# EAGLE board Mk4 Final Panel 6up 3x2 (EAGLE 9.0.1), part 15 of 18 (continued)
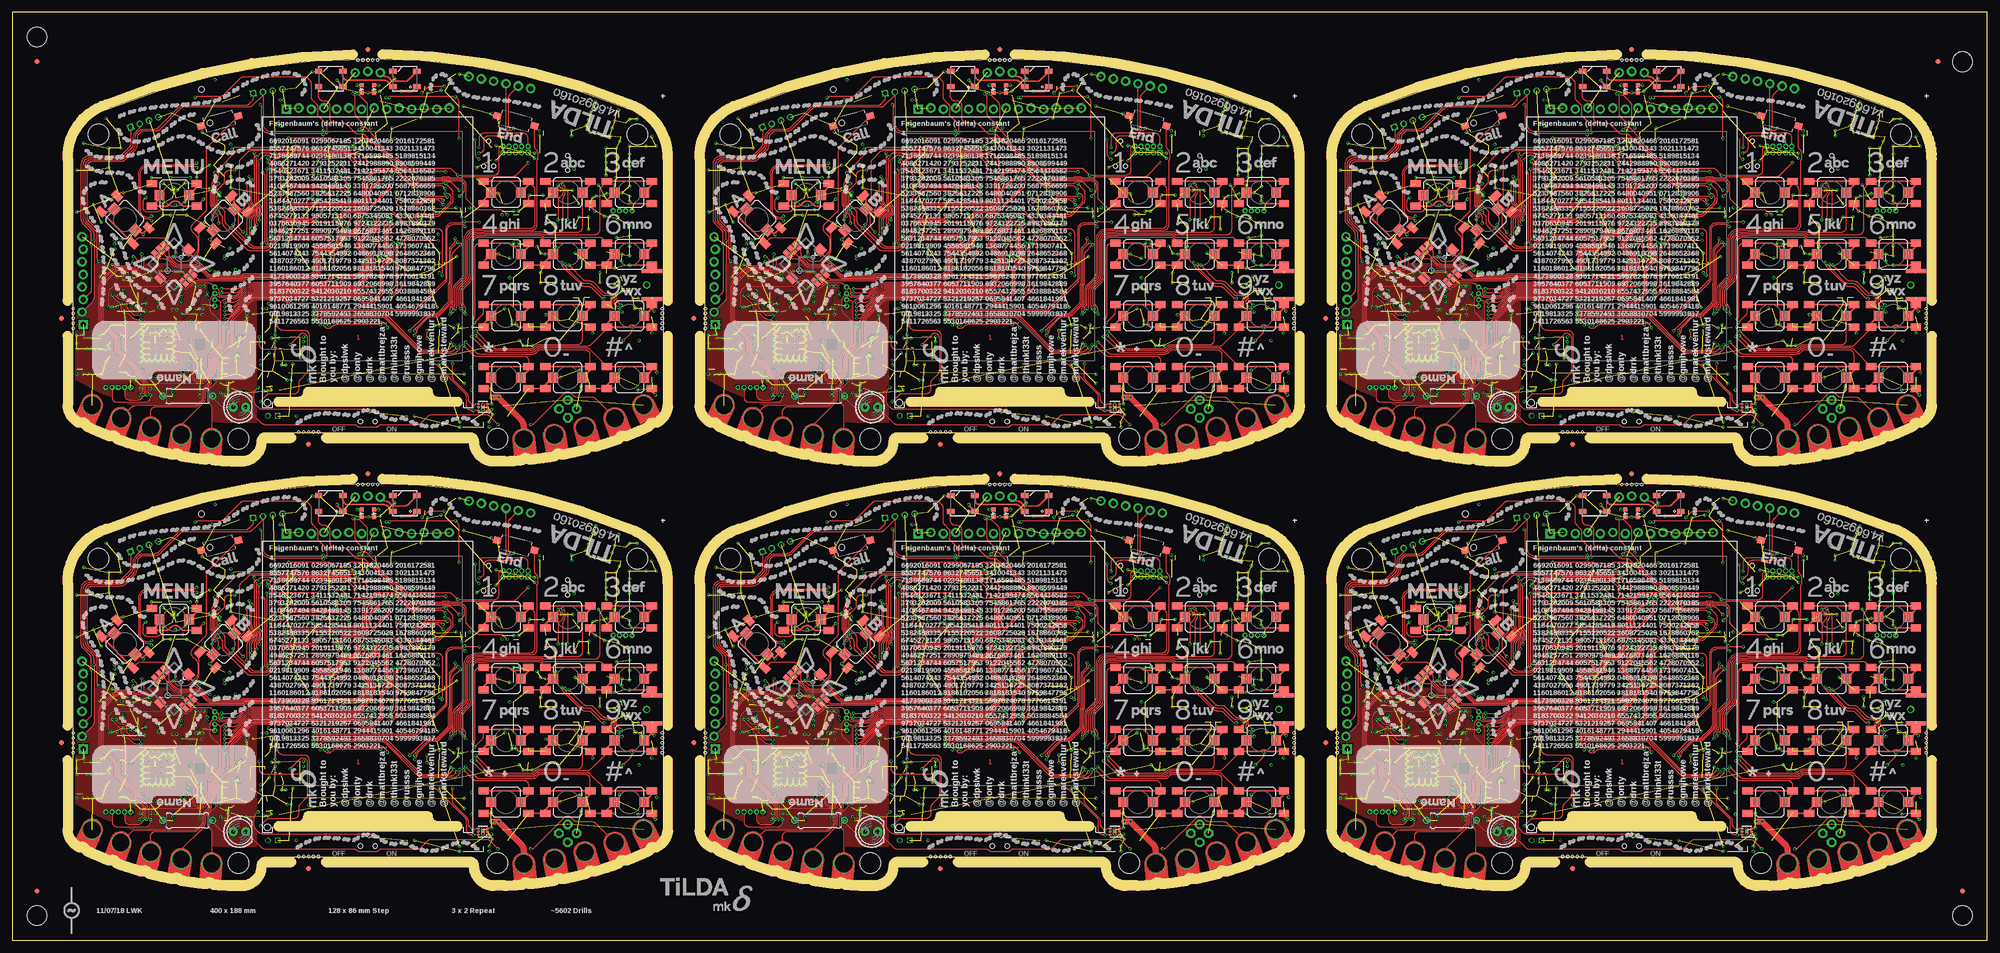
[diagram p0: board, top side]
## Tracks (layer width: path | path; a pad name or v marks a point on that pad's centre or on a via) (continued)
SWCLK  (via drill 0.3)
  Top 0.2: J3.4 103.17,76 arc90 102.17,77 96.5,77 arc90 95.5,76 95.5,74.45 arc-90 94.55,73.5 v94.5,73.45
  Bottom 0.2: IC1.100 82.59,70 arc45 83.29,70.29 84.21,71.21 arc-45 84.91,71.5 90.69,71.5 arc45 91.39,71.79 92.76,73.16 arc-45 93.46,73.45 v94.5,73.45 94.59,73.36 JP4.4
SWCLK1  (via drill 0.3)
  Top 0.2: J13.4 231.17,76 arc90 230.17,77 224.5,77 arc90 223.5,76 223.5,74.45 arc-90 222.55,73.5 v222.5,73.45
  Bottom 0.2: IC20.100 210.59,70 arc45 211.29,70.29 212.21,71.21 arc-45 212.91,71.5 218.69,71.5 arc45 219.39,71.79 220.76,73.16 arc-45 221.46,73.45 v222.5,73.45 222.59,73.36 JP10.4
SWCLK2  (via drill 0.3)
  Top 0.2: J23.4 103.17,162 arc90 102.17,163 96.5,163 arc90 95.5,162 95.5,160.45 arc-90 94.55,159.5 v94.5,159.45
  Bottom 0.2: IC38.100 82.59,156 arc45 83.29,156.29 84.21,157.21 arc-45 84.91,157.5 90.69,157.5 arc45 91.39,157.79 92.76,159.16 arc-45 93.46,159.45 v94.5,159.45 94.59,159.36 JP19.4
SWCLK3  (via drill 0.3)
  Top 0.2: J33.4 231.17,162 arc90 230.17,163 224.5,163 arc90 223.5,162 223.5,160.45 arc-90 222.55,159.5 v222.5,159.45
  Bottom 0.2: IC56.100 210.59,156 arc45 211.29,156.29 212.21,157.21 arc-45 212.91,157.5 218.69,157.5 arc45 219.39,157.79 220.76,159.16 arc-45 221.46,159.45 v222.5,159.45 222.59,159.36 JP28.4
SWCLK4  (via drill 0.3)
  Top 0.2: J43.4 359.17,76 arc90 358.17,77 352.5,77 arc90 351.5,76 351.5,74.45 arc-90 350.55,73.5 v350.5,73.45
  Bottom 0.2: IC74.100 338.59,70 arc45 339.29,70.29 340.21,71.21 arc-45 340.91,71.5 346.69,71.5 arc45 347.39,71.79 348.76,73.16 arc-45 349.46,73.45 v350.5,73.45 350.59,73.36 JP37.4
SWCLK6  (via drill 0.3)
  Top 0.2: J63.4 359.17,162 arc90 358.17,163 352.5,163 arc90 351.5,162 351.5,160.45 arc-90 350.55,159.5 v350.5,159.45
  Bottom 0.2: IC110.100 338.59,156 arc45 339.29,156.29 340.21,157.21 arc-45 340.91,157.5 346.69,157.5 arc45 347.39,157.79 348.76,159.16 arc-45 349.46,159.45 v350.5,159.45 350.59,159.36 JP55.4
SWDIO  (via drill 0.3)
  Top 0.2: J3.2 104.44,76.5 arc90 103.44,77.5 95.5,77.5 arc90 94.5,76.5 v94.5,74.7
  Bottom 0.2: IC1.99 82.49,70.4 arc45 83.19,70.69 84.06,71.56 arc-45 84.76,71.85 90.44,71.85 arc45 91.14,72.14 93.41,74.41 arc-45 94.11,74.7 v94.5,74.7 94.57,74.63 JP4.2
SWDIO1  (via drill 0.3)
  Top 0.2: J13.2 232.44,76.5 arc90 231.44,77.5 223.5,77.5 arc90 222.5,76.5 v222.5,74.7
  Bottom 0.2: IC20.99 210.49,70.4 arc45 211.19,70.69 212.06,71.56 arc-45 212.76,71.85 218.44,71.85 arc45 219.14,72.14 221.41,74.41 arc-45 222.11,74.7 v222.5,74.7 222.57,74.63 JP10.2
SWDIO2  (via drill 0.3)
  Top 0.2: J23.2 104.44,162.5 arc90 103.44,163.5 95.5,163.5 arc90 94.5,162.5 v94.5,160.7
  Bottom 0.2: IC38.99 82.49,156.4 arc45 83.19,156.69 84.06,157.56 arc-45 84.76,157.85 90.44,157.85 arc45 91.14,158.14 93.41,160.41 arc-45 94.11,160.7 v94.5,160.7 94.57,160.63 JP19.2
SWDIO3  (via drill 0.3)
  Top 0.2: J33.2 232.44,162.5 arc90 231.44,163.5 223.5,163.5 arc90 222.5,162.5 v222.5,160.7
  Bottom 0.2: IC56.99 210.49,156.4 arc45 211.19,156.69 212.06,157.56 arc-45 212.76,157.85 218.44,157.85 arc45 219.14,158.14 221.41,160.41 arc-45 222.11,160.7 v222.5,160.7 222.57,160.63 JP28.2
SWDIO4  (via drill 0.3)
  Top 0.2: J43.2 360.44,76.5 arc90 359.44,77.5 351.5,77.5 arc90 350.5,76.5 v350.5,74.7
  Bottom 0.2: IC74.99 338.49,70.4 arc45 339.19,70.69 340.06,71.56 arc-45 340.76,71.85 346.44,71.85 arc45 347.14,72.14 349.41,74.41 arc-45 350.11,74.7 v350.5,74.7 350.57,74.63 JP37.2
SWDIO6  (via drill 0.3)
  Top 0.2: J63.2 360.44,162.5 arc90 359.44,163.5 351.5,163.5 arc90 350.5,162.5 v350.5,160.7
  Bottom 0.2: IC110.99 338.49,156.4 arc45 339.19,156.69 340.06,157.56 arc-45 340.76,157.85 346.44,157.85 arc45 347.14,158.14 349.41,160.41 arc-45 350.11,160.7 v350.5,160.7 350.57,160.63 JP55.2
SWO  (via drill 0.3)
  Top 0.2: v93.75,76.25 93.75,73.41 arc45 94.04,72.71 v94.5,72.25
  Bottom 0.2: J3.6 101.9,76.3 arc90 100.9,77.3 95.16,77.3 arc45 94.46,77.01 93.75,76.3 v93.75,76.25 93.75,75.75 90.89,72.89 arc-45 90.19,72.6 84.51,72.6 arc45 83.81,72.31 82.99,71.49 arc-45 82.29,71.2 81.78,71.2 arc-45 81.43,71.35 81.37,71.4 arc45 81.02,71.55 81,71.55 80.98,71.55 arc45 80.63,71.4 80.57,71.35 arc-45 80.22,71.2 IC1.97 | JP4.6 94.66,72.09 v94.5,72.25
SWO1  (via drill 0.3)
  Top 0.2: v221.75,76.25 221.75,73.41 arc45 222.04,72.71 v222.5,72.25
  Bottom 0.2: J13.6 229.9,76.3 arc90 228.9,77.3 223.16,77.3 arc45 222.46,77.01 221.75,76.3 v221.75,76.25 221.75,75.75 218.89,72.89 arc-45 218.19,72.6 212.51,72.6 arc45 211.81,72.31 210.99,71.49 arc-45 210.29,71.2 209.78,71.2 arc-45 209.43,71.35 209.37,71.4 arc45 209.02,71.55 208.98,71.55 arc45 208.63,71.4 208.57,71.35 arc-45 208.22,71.2 IC20.97 | JP10.6 222.66,72.09 v222.5,72.25
SWO2  (via drill 0.3)
  Top 0.2: v93.75,162.25 93.75,159.41 arc45 94.04,158.71 v94.5,158.25
  Bottom 0.2: J23.6 101.9,162.3 arc90 100.9,163.3 95.16,163.3 arc45 94.46,163.01 93.75,162.3 v93.75,162.25 93.75,161.75 90.89,158.89 arc-45 90.19,158.6 84.51,158.6 arc45 83.81,158.31 82.99,157.49 arc-45 82.29,157.2 81.78,157.2 arc-45 81.43,157.35 81.37,157.4 arc45 81.02,157.55 80.98,157.55 arc45 80.63,157.4 80.57,157.35 arc-45 80.22,157.2 IC38.97 | JP19.6 94.66,158.09 v94.5,158.25
SWO3  (via drill 0.3)
  Top 0.2: v221.75,162.25 221.75,159.41 arc45 222.04,158.71 v222.5,158.25
  Bottom 0.2: J33.6 229.9,162.3 arc90 228.9,163.3 223.16,163.3 arc45 222.46,163.01 221.75,162.3 v221.75,162.25 221.75,161.75 218.89,158.89 arc-45 218.19,158.6 212.51,158.6 arc45 211.81,158.31 210.99,157.49 arc-45 210.29,157.2 209.78,157.2 arc-45 209.43,157.35 209.37,157.4 arc45 209.02,157.55 208.98,157.55 arc45 208.63,157.4 208.57,157.35 arc-45 208.22,157.2 IC56.97 | JP28.6 222.66,158.09 v222.5,158.25
SWO4  (via drill 0.3)
  Top 0.2: v349.75,76.25 349.75,73.41 arc45 350.04,72.71 v350.5,72.25
  Bottom 0.2: J43.6 357.9,76.3 arc90 356.9,77.3 351.16,77.3 arc45 350.46,77.01 349.75,76.3 v349.75,76.25 349.75,75.75 346.89,72.89 arc-45 346.19,72.6 340.51,72.6 arc45 339.81,72.31 338.99,71.49 arc-45 338.29,71.2 337.79,71.2 arc-45 337.43,71.35 337.37,71.4 arc45 337.02,71.55 336.98,71.55 arc45 336.63,71.4 336.57,71.35 arc-45 336.21,71.2 IC74.97 | JP37.6 350.66,72.09 v350.5,72.25
SWO6  (via drill 0.3)
  Top 0.2: v349.75,162.25 349.75,159.41 arc45 350.04,158.71 v350.5,158.25
  Bottom 0.2: J63.6 357.9,162.3 arc90 356.9,163.3 351.16,163.3 arc45 350.46,163.01 349.75,162.3 v349.75,162.25 349.75,161.75 346.89,158.89 arc-45 346.19,158.6 340.51,158.6 arc45 339.81,158.31 338.99,157.49 arc-45 338.29,157.2 337.79,157.2 arc-45 337.43,157.35 337.37,157.4 arc45 337.02,157.55 336.98,157.55 arc45 336.63,157.4 336.57,157.35 arc-45 336.21,157.2 IC110.97 | JP55.6 350.66,158.09 v350.5,158.25
T3CCPO_WS1  (via drill 0.3)
  Top 0.2: v215.8,67.3 216.91,66.19 arc-45 217.2,65.49 217.2,63.91 arc-45 216.91,63.21 214.59,60.89 arc-45 213.89,60.6 v210.3,60.6 | v215.8,69.7 209.71,69.7 arc-45 209.57,69.76 209.39,69.94 arc45 209.25,70 208.32,70 arc-45 207.61,70.29 206,71.9 arc45 205.65,72.05 205.52,72.05 arc-45 204.82,72.34 201.46,75.7 arc45 201.21,75.8 arc-45 200.51,76.09 199.59,77.01 arc45 198.89,77.3 198.11,77.3 arc-45 197.41,77.59 195.79,79.21 arc45 195.09,79.5 193.36,79.5 arc-90 192.36,80.5 192.36,83 arc90 191.36,84 191.05,84 arc-90 190.05,85 LED7.4
  Bottom 0.2: v215.8,69.7 v215.8,67.3 | v210.3,60.6 210.17,60.47 arc-45 209.82,60.33 209.57,60.33 arc45 209.22,60.18 209.19,60.15 arc-45 208.83,60 IC20.125
T3CCPO_WS2  (via drill 0.3)
  Top 0.2: v87.8,153.3 88.91,152.19 arc-45 89.2,151.49 89.2,149.91 arc-45 88.91,149.21 86.59,146.89 arc-45 85.89,146.6 v82.3,146.6 | v87.8,155.7 81.71,155.7 arc-45 81.57,155.76 81.39,155.94 arc45 81.25,156 80.32,156 arc-45 79.61,156.29 78,157.9 arc45 77.64,158.05 77.52,158.05 arc-45 76.82,158.34 73.46,161.7 arc45 73.21,161.8 arc-45 72.51,162.09 71.59,163.01 arc45 70.89,163.3 70.11,163.3 arc-45 69.41,163.59 67.79,165.21 arc45 67.09,165.5 65.36,165.5 arc-90 64.36,166.5 64.36,169 arc90 63.36,170 63.05,170 arc-90 62.05,171 LED13.4
  Bottom 0.2: v87.8,155.7 v87.8,153.3 | v82.3,146.6 82.17,146.47 arc-45 81.82,146.32 81.57,146.32 arc45 81.22,146.18 81.19,146.15 arc-45 80.83,146 IC38.125
T3CCPO_WS3  (via drill 0.3)
  Top 0.2: v215.8,153.3 216.91,152.19 arc-45 217.2,151.49 217.2,149.91 arc-45 216.91,149.21 214.59,146.89 arc-45 213.89,146.6 v210.3,146.6 | v215.8,155.7 209.71,155.7 arc-45 209.57,155.76 209.39,155.94 arc45 209.25,156 208.32,156 arc-45 207.61,156.29 206,157.9 arc45 205.65,158.05 205.52,158.05 arc-45 204.82,158.34 201.46,161.7 arc45 201.21,161.8 arc-45 200.51,162.09 199.59,163.01 arc45 198.89,163.3 198.11,163.3 arc-45 197.41,163.59 195.79,165.21 arc45 195.09,165.5 193.36,165.5 arc-90 192.36,166.5 192.36,169 arc90 191.36,170 191.05,170 arc-90 190.05,171 LED19.4
  Bottom 0.2: v215.8,155.7 v215.8,153.3 | v210.3,146.6 210.17,146.47 arc-45 209.82,146.32 209.57,146.32 arc45 209.22,146.18 209.19,146.15 arc-45 208.83,146 IC56.125
T3CCPO_WS4  (via drill 0.3)
  Top 0.2: v343.8,67.3 344.91,66.19 arc-45 345.2,65.49 345.2,63.91 arc-45 344.91,63.21 342.59,60.89 arc-45 341.89,60.6 v338.3,60.6 | v343.8,69.7 337.71,69.7 arc-45 337.57,69.76 337.39,69.94 arc45 337.25,70 336.32,70 arc-45 335.61,70.29 334,71.9 arc45 333.64,72.05 333.52,72.05 arc-45 332.82,72.34 329.46,75.7 arc45 329.21,75.8 arc-45 328.51,76.09 327.59,77.01 arc45 326.89,77.3 326.11,77.3 arc-45 325.41,77.59 323.79,79.21 arc45 323.09,79.5 321.36,79.5 arc-90 320.36,80.5 320.36,83 arc90 319.36,84 319.05,84 arc-90 318.05,85 LED25.4
  Bottom 0.2: v343.8,69.7 v343.8,67.3 | v338.3,60.6 338.17,60.47 arc-45 337.82,60.33 337.57,60.33 arc45 337.22,60.18 337.19,60.15 arc-45 336.83,60 IC74.125
T3CCPO_WS6  (via drill 0.3)
  Top 0.2: v343.8,153.3 344.91,152.19 arc-45 345.2,151.49 345.2,149.91 arc-45 344.91,149.21 342.59,146.89 arc-45 341.89,146.6 v338.3,146.6 | v343.8,155.7 337.71,155.7 arc-45 337.57,155.76 337.39,155.94 arc45 337.25,156 336.32,156 arc-45 335.61,156.29 334,157.9 arc45 333.64,158.05 333.52,158.05 arc-45 332.82,158.34 329.46,161.7 arc45 329.21,161.8 arc-45 328.51,162.09 327.59,163.01 arc45 326.89,163.3 326.11,163.3 arc-45 325.41,163.59 323.79,165.21 arc45 323.09,165.5 321.36,165.5 arc-90 320.36,166.5 320.36,169 arc90 319.36,170 319.05,170 arc-90 318.05,171 LED37.4
  Bottom 0.2: v343.8,155.7 v343.8,153.3 | v338.3,146.6 338.17,146.47 arc-45 337.82,146.32 337.57,146.32 arc45 337.22,146.18 337.19,146.15 arc-45 336.83,146 IC110.125
T3CCPO_WS2812  (via drill 0.3)
  Top 0.2: v87.8,67.3 88.91,66.19 arc-45 89.2,65.49 89.2,63.91 arc-45 88.91,63.21 86.59,60.89 arc-45 85.89,60.6 v82.3,60.6 | v87.8,69.7 81.71,69.7 arc-45 81.57,69.76 81.39,69.94 arc45 81.25,70 80.32,70 arc-45 79.61,70.29 78,71.9 arc45 77.64,72.05 77.52,72.05 arc-45 76.82,72.34 73.46,75.7 arc45 73.21,75.8 arc-45 72.51,76.09 71.59,77.01 arc45 70.89,77.3 70.11,77.3 arc-45 69.41,77.59 67.79,79.21 arc45 67.09,79.5 65.36,79.5 arc-90 64.36,80.5 64.36,83 arc90 63.36,84 63.05,84 arc-90 62.05,85 LED1.4
  Bottom 0.2: v87.8,69.7 v87.8,67.3 | v82.3,60.6 82.17,60.47 arc-45 81.82,60.33 81.57,60.33 arc45 81.22,60.18 81.19,60.15 arc-45 80.83,60 IC1.125
T4CCP0  (via drill 0.3)
  Top 0.15: v77,59.2 76.72,58.92 arc45 76.58,58.57 arc-45 76.46,58.3 76.19,58.03 arc45 75.9,57.32 75.9,54.61 arc45 76.19,53.91 76.42,53.68 arc-45 76.6,53.24 76.62,53.22 76.62,52.55 arc-45 76.19,51.49 75.17,50.47 arc45 74.8,49.58 74.8,45.72 arc-45 74.43,44.83 72.87,43.27 arc-45 71.98,42.9 71.41,42.9 arc-45 70.71,43.19 70.29,43.61 arc45 69.59,43.9 56.26,43.9 arc45 55.9,43.75 v55.8,43.65 55.74,43.71 arc45 55.04,44 49.07,44 arc45 48.19,43.63 44.67,40.11 arc45 44.3,39.23 44.3,35.41 arc-45 44.01,34.71 41.67,32.37 arc45 41.3,31.48 41.3,30.01 arc-45 40.69,28.54 arc45 40.4,27.84 40.4,27.3 arc-45 39.96,26.24 39.52,25.79 arc45 39.15,24.91 39.15,23.97 arc-45 38.71,22.91 34.2,18.4 PCB.CH2
  3V3@2 0.15: PCB.CH2 | v22.4,56.2 22.4,55.9 22,55.5 22,53.5 21,52.5 19.5,52.5 18.6,51.6 18.6,50.6 14.37,46.37 JP6.4
  Bottom 0.15: v55.8,43.65 arc-45 55.29,43.86 52.34,46.81 arc45 50.92,47.4 45.23,47.4 arc-45 44.52,47.69 40.93,51.29 arc-45 40.8,51.6 40.8,51.75 arc90 39.05,53.5 36.06,53.5 arc-45 35.36,53.79 33.76,55.39 arc45 32.52,55.9 23.11,55.9 arc-45 v22.41,56.19 v22.4,56.2
  Bottom 0.2: v77,59.2 77.44,59.63 arc-90 78.14,59.63 78.43,59.35 arc45 78.78,59.2 IC1.127
T4CCP1  (via drill 0.3)
  Top 0.15: PCB.CH1 40.38,21.9 arc45 40.09,22.61 39.74,22.96 arc-45 39.45,23.66 39.45,24.89 arc-45 39.74,25.59 41.27,27.12 arc45 41.6,27.91 41.6,31.46 arc-45 41.89,32.17 44.23,34.51 arc45 44.6,35.39 44.6,39.21 arc-45 44.89,39.92 48.38,43.41 arc-45 49.09,43.7 54.59,43.7 arc-45 55.29,43.41 55.45,43.25 arc45 55.81,43.1 v56.4,43.1 62,43.1 62.05,43.05 69.94,43.05 arc-45 70.64,42.76 arc45 71.02,42.6 72.08,42.6 arc45 73.14,43.04 74.66,44.56 arc45 75.1,45.62 75.1,49.49 arc-45 75.39,50.19 76.41,51.21 arc45 76.92,52.45 76.92,53.34 76.9,53.37 arc45 76.66,53.94 76.49,54.11 arc-45 76.2,54.81 76.2,57.19 arc-45 76.49,57.89 v77.8,59.2
  3V3@2 0.15: v21.6,55.9 21.6,53.6 21,53 19,53 18.25,52.25 18.25,51 16.16,48.91 JP6.5
  Bottom 0.15: v56.4,43.1 55.81,43.1 arc-45 55.45,43.25 52.11,46.59 arc45 50.88,47.1 45.11,47.1 arc-45 44.4,47.39 40.65,51.15 arc-45 40.5,51.5 40.5,51.7 arc90 39,53.2 36.02,53.2 arc-45 35.13,53.57 33.54,55.16 arc45 32.48,55.6 22.31,55.6 arc-45 v21.61,55.89 v21.6,55.9
  Bottom 0.2: IC1.128 78.41,58.8 arc-45 78.05,58.95 v77.8,59.2
T4CCP2  (via drill 0.3)
  Top 0.15: v205,59.2 204.72,58.92 arc45 204.57,58.57 arc-45 204.46,58.3 204.19,58.03 arc45 203.9,57.32 203.9,54.61 arc45 204.19,53.91 204.42,53.68 arc-45 204.6,53.24 204.62,53.22 204.62,52.55 arc-45 204.19,51.49 203.17,50.47 arc45 202.8,49.58 202.8,45.72 arc-45 202.43,44.83 200.87,43.27 arc-45 199.98,42.9 199.41,42.9 arc-45 198.71,43.19 198.29,43.61 arc45 197.59,43.9 184.26,43.9 arc45 183.9,43.75 v183.8,43.65 183.74,43.71 arc45 183.04,44 177.07,44 arc45 176.19,43.63 172.67,40.11 arc45 172.3,39.23 172.3,35.41 arc-45 172.01,34.71 169.67,32.37 arc45 169.3,31.48 169.3,30.01 arc-45 168.69,28.54 arc45 168.4,27.84 168.4,27.3 arc-45 167.96,26.24 167.52,25.79 arc45 167.15,24.91 167.15,23.97 arc-45 166.71,22.91 162.2,18.4 PCB1.CH2
  3V3@2 0.15: PCB1.CH2 | v150.4,56.2 150.4,55.9 150,55.5 150,53.5 149,52.5 147.5,52.5 146.6,51.6 146.6,50.6 142.37,46.37 JP17.4
  Bottom 0.15: v183.8,43.65 arc-45 183.29,43.86 180.34,46.81 arc45 178.92,47.4 173.23,47.4 arc-45 172.52,47.69 168.93,51.29 arc-45 168.8,51.6 168.8,51.75 arc90 167.05,53.5 164.06,53.5 arc-45 163.36,53.79 161.76,55.39 arc45 160.53,55.9 151.11,55.9 arc-45 v150.41,56.19 v150.4,56.2
  Bottom 0.2: v205,59.2 205.44,59.63 arc-90 206.14,59.63 206.43,59.35 arc45 206.78,59.2 IC20.127
T4CCP3  (via drill 0.3)
  Top 0.15: PCB1.CH1 168.38,21.9 arc45 168.09,22.61 167.74,22.96 arc-45 167.45,23.66 167.45,24.89 arc-45 167.74,25.59 169.28,27.12 arc45 169.6,27.91 169.6,31.46 arc-45 169.89,32.17 172.23,34.51 arc45 172.6,35.39 172.6,39.21 arc-45 172.89,39.92 176.38,43.41 arc-45 177.09,43.7 182.59,43.7 arc-45 183.29,43.41 183.45,43.25 arc45 183.81,43.1 v184.4,43.1 190,43.1 190.05,43.05 197.94,43.05 arc-45 198.64,42.76 arc45 199.02,42.6 200.08,42.6 arc45 201.14,43.04 202.66,44.56 arc45 203.1,45.62 203.1,49.49 arc-45 203.39,50.19 204.41,51.21 arc45 204.93,52.45 204.93,53.34 204.9,53.37 arc45 204.66,53.94 204.49,54.11 arc-45 204.2,54.81 204.2,57.19 arc-45 204.49,57.89 v205.8,59.2
  3V3@2 0.15: v149.6,55.9 149.6,53.6 149,53 147,53 146.25,52.25 146.25,51 144.16,48.91 JP17.5
  Bottom 0.15: v184.4,43.1 183.81,43.1 arc-45 183.45,43.25 180.11,46.59 arc45 178.88,47.1 173.11,47.1 arc-45 172.4,47.39 168.65,51.15 arc-45 168.5,51.5 168.5,51.7 arc90 167,53.2 164.02,53.2 arc-45 163.13,53.57 161.54,55.16 arc45 160.48,55.6 150.31,55.6 arc-45 v149.61,55.89 v149.6,55.9
  Bottom 0.2: IC20.128 206.41,58.8 arc-45 206.05,58.95 v205.8,59.2
T4CCP4  (via drill 0.3)
  Top 0.15: v77,145.2 76.72,144.92 arc45 76.58,144.57 arc-45 76.46,144.29 76.19,144.03 arc45 75.9,143.32 75.9,140.61 arc45 76.19,139.91 76.42,139.68 arc-45 76.6,139.24 76.62,139.22 76.62,138.55 arc-45 76.19,137.49 75.17,136.47 arc45 74.8,135.58 74.8,131.72 arc-45 74.43,130.83 72.87,129.27 arc-45 71.98,128.9 71.41,128.9 arc-45 70.71,129.19 70.29,129.61 arc45 69.59,129.9 56.26,129.9 arc45 55.9,129.75 v55.8,129.65 55.74,129.71 arc45 55.04,130 49.07,130 arc45 48.19,129.63 44.67,126.11 arc45 44.3,125.23 44.3,121.41 arc-45 44.01,120.71 41.67,118.37 arc45 41.3,117.48 41.3,116.01 arc-45 40.69,114.54 arc45 40.4,113.84 40.4,113.3 arc-45 39.96,112.24 39.52,111.79 arc45 39.15,110.91 39.15,109.97 arc-45 38.71,108.91 34.2,104.4 PCB2.CH2
  3V3@2 0.15: PCB2.CH2 | v22.4,142.2 22.4,141.9 22,141.5 22,139.5 21,138.5 19.5,138.5 18.6,137.6 18.6,136.6 14.37,132.37 JP26.4
  Bottom 0.15: v55.8,129.65 arc-45 55.29,129.86 52.34,132.81 arc45 50.92,133.4 45.23,133.4 arc-45 44.52,133.69 40.93,137.29 arc-45 40.8,137.6 40.8,137.75 arc90 39.05,139.5 36.06,139.5 arc-45 35.36,139.79 33.76,141.39 arc45 32.52,141.9 23.11,141.9 arc-45 v22.41,142.19 v22.4,142.2
  Bottom 0.2: v77,145.2 77.44,145.63 arc-90 78.14,145.63 78.43,145.35 arc45 78.78,145.2 IC38.127
T4CCP5  (via drill 0.3)
  Top 0.15: PCB2.CH1 40.38,107.9 arc45 40.09,108.61 39.74,108.96 arc-45 39.45,109.66 39.45,110.89 arc-45 39.74,111.59 41.27,113.12 arc45 41.6,113.91 41.6,117.46 arc-45 41.89,118.17 44.23,120.51 arc45 44.6,121.39 44.6,125.21 arc-45 44.89,125.92 48.38,129.41 arc-45 49.09,129.7 54.59,129.7 arc-45 55.29,129.41 55.45,129.25 arc45 55.81,129.1 v56.4,129.1 62,129.1 62.05,129.05 69.94,129.05 arc-45 70.64,128.76 arc45 71.02,128.6 72.08,128.6 arc45 73.14,129.04 74.66,130.56 arc45 75.1,131.62 75.1,135.49 arc-45 75.39,136.19 76.41,137.21 arc45 76.92,138.45 76.92,139.34 76.9,139.37 arc45 76.66,139.94 76.49,140.11 arc-45 76.2,140.81 76.2,143.19 arc-45 76.49,143.89 v77.8,145.2
  3V3@2 0.15: v21.6,141.9 21.6,139.6 21,139 19,139 18.25,138.25 18.25,137 16.16,134.91 JP26.5
  Bottom 0.15: v56.4,129.1 55.81,129.1 arc-45 55.45,129.25 52.11,132.59 arc45 50.88,133.1 45.11,133.1 arc-45 44.4,133.39 40.65,137.15 arc-45 40.5,137.5 40.5,137.7 arc90 39,139.2 36.02,139.2 arc-45 35.13,139.57 33.54,141.16 arc45 32.48,141.6 22.31,141.6 arc-45 v21.61,141.89 v21.6,141.9
  Bottom 0.2: IC38.128 78.41,144.8 arc-45 78.05,144.95 v77.8,145.2
T4CCP6  (via drill 0.3)
  Top 0.15: v205,145.2 204.72,144.92 arc45 204.57,144.57 arc-45 204.46,144.29 204.19,144.03 arc45 203.9,143.32 203.9,140.61 arc45 204.19,139.91 204.42,139.68 arc-45 204.6,139.24 204.62,139.22 204.62,138.55 arc-45 204.19,137.49 203.17,136.47 arc45 202.8,135.58 202.8,131.72 arc-45 202.43,130.83 200.87,129.27 arc-45 199.98,128.9 199.41,128.9 arc-45 198.71,129.19 198.29,129.61 arc45 197.59,129.9 184.26,129.9 arc45 183.9,129.75 v183.8,129.65 183.74,129.71 arc45 183.04,130 177.07,130 arc45 176.19,129.63 172.67,126.11 arc45 172.3,125.23 172.3,121.41 arc-45 172.01,120.71 169.67,118.37 arc45 169.3,117.48 169.3,116.01 arc-45 168.69,114.54 arc45 168.4,113.84 168.4,113.3 arc-45 167.96,112.24 167.52,111.79 arc45 167.15,110.91 167.15,109.97 arc-45 166.71,108.91 162.2,104.4 PCB3.CH2
  3V3@2 0.15: PCB3.CH2 | v150.4,142.2 150.4,141.9 150,141.5 150,139.5 149,138.5 147.5,138.5 146.6,137.6 146.6,136.6 142.37,132.37 JP35.4
  Bottom 0.15: v183.8,129.65 arc-45 183.29,129.86 180.34,132.81 arc45 178.92,133.4 173.23,133.4 arc-45 172.52,133.69 168.93,137.29 arc-45 168.8,137.6 168.8,137.75 arc90 167.05,139.5 164.06,139.5 arc-45 163.36,139.79 161.76,141.39 arc45 160.53,141.9 151.11,141.9 arc-45 v150.41,142.19 v150.4,142.2
  Bottom 0.2: v205,145.2 205.44,145.63 arc-90 206.14,145.63 206.43,145.35 arc45 206.78,145.2 IC56.127
T4CCP7  (via drill 0.3)
  Top 0.15: PCB3.CH1 168.38,107.9 arc45 168.09,108.61 167.74,108.96 arc-45 167.45,109.66 167.45,110.89 arc-45 167.74,111.59 169.28,113.12 arc45 169.6,113.91 169.6,117.46 arc-45 169.89,118.17 172.23,120.51 arc45 172.6,121.39 172.6,125.21 arc-45 172.89,125.92 176.38,129.41 arc-45 177.09,129.7 182.59,129.7 arc-45 183.29,129.41 183.45,129.25 arc45 183.81,129.1 v184.4,129.1 190,129.1 190.05,129.05 197.94,129.05 arc-45 198.64,128.76 arc45 199.02,128.6 200.08,128.6 arc45 201.14,129.04 202.66,130.56 arc45 203.1,131.62 203.1,135.49 arc-45 203.39,136.19 204.41,137.21 arc45 204.93,138.45 204.93,139.34 204.9,139.37 arc45 204.66,139.94 204.49,140.11 arc-45 204.2,140.81 204.2,143.19 arc-45 204.49,143.89 v205.8,145.2
  3V3@2 0.15: v149.6,141.9 149.6,139.6 149,139 147,139 146.25,138.25 146.25,137 144.16,134.91 JP35.5
  Bottom 0.15: v184.4,129.1 183.81,129.1 arc-45 183.45,129.25 180.11,132.59 arc45 178.88,133.1 173.11,133.1 arc-45 172.4,133.39 168.65,137.15 arc-45 168.5,137.5 168.5,137.7 arc90 167,139.2 164.02,139.2 arc-45 163.13,139.57 161.54,141.16 arc45 160.48,141.6 150.31,141.6 arc-45 v149.61,141.89 v149.6,141.9
  Bottom 0.2: IC56.128 206.41,144.8 arc-45 206.05,144.95 v205.8,145.2
T4CCP8  (via drill 0.3)
  Top 0.15: v333,59.2 332.72,58.92 arc45 332.57,58.57 arc-45 332.46,58.3 332.19,58.03 arc45 331.9,57.32 331.9,54.61 arc45 332.19,53.91 332.42,53.68 arc-45 332.6,53.24 332.62,53.22 332.62,52.55 arc-45 332.19,51.49 331.17,50.47 arc45 330.8,49.58 330.8,45.72 arc-45 330.43,44.83 328.87,43.27 arc-45 327.98,42.9 327.41,42.9 arc-45 326.71,43.19 326.29,43.61 arc45 325.59,43.9 312.26,43.9 arc45 311.9,43.75 v311.8,43.65 311.74,43.71 arc45 311.04,44 305.07,44 arc45 304.19,43.63 300.67,40.11 arc45 300.3,39.23 300.3,35.41 arc-45 300.01,34.71 297.67,32.37 arc45 297.3,31.48 297.3,30.01 arc-45 296.69,28.54 arc45 296.4,27.84 296.4,27.3 arc-45 295.96,26.24 295.52,25.79 arc45 295.15,24.91 295.15,23.97 arc-45 294.71,22.91 290.2,18.4 PCB4.CH2
  3V3@2 0.15: PCB4.CH2 | v278.4,56.2 278.4,55.9 278,55.5 278,53.5 277,52.5 275.5,52.5 274.6,51.6 274.6,50.6 270.37,46.37 JP44.4
  Bottom 0.15: v311.8,43.65 arc-45 311.29,43.86 308.34,46.81 arc45 306.92,47.4 301.23,47.4 arc-45 300.52,47.69 296.93,51.29 arc-45 296.8,51.6 296.8,51.75 arc90 295.05,53.5 292.06,53.5 arc-45 291.36,53.79 289.76,55.39 arc45 288.52,55.9 279.11,55.9 arc-45 v278.41,56.19 v278.4,56.2
  Bottom 0.2: v333,59.2 333.44,59.63 arc-90 334.14,59.63 334.43,59.35 arc45 334.79,59.2 IC74.127
T4CCP9  (via drill 0.3)
  Top 0.15: PCB4.CH1 296.38,21.9 arc45 296.09,22.61 295.74,22.96 arc-45 295.45,23.66 295.45,24.89 arc-45 295.74,25.59 297.27,27.12 arc45 297.6,27.91 297.6,31.46 arc-45 297.89,32.17 300.23,34.51 arc45 300.6,35.39 300.6,39.21 arc-45 300.89,39.92 304.38,43.41 arc-45 305.09,43.7 310.59,43.7 arc-45 311.29,43.41 311.45,43.25 arc45 311.81,43.1 v312.4,43.1 318,43.1 318.05,43.05 325.94,43.05 arc-45 326.64,42.76 arc45 327.02,42.6 328.08,42.6 arc45 329.14,43.04 330.66,44.56 arc45 331.1,45.62 331.1,49.49 arc-45 331.39,50.19 332.41,51.21 arc45 332.93,52.45 332.93,53.34 332.9,53.37 arc45 332.66,53.94 332.49,54.11 arc-45 332.2,54.81 332.2,57.19 arc-45 332.49,57.89 v333.8,59.2
  3V3@2 0.15: v277.6,55.9 277.6,53.6 277,53 275,53 274.25,52.25 274.25,51 272.16,48.91 JP44.5
  Bottom 0.15: v312.4,43.1 311.81,43.1 arc-45 311.45,43.25 308.11,46.59 arc45 306.88,47.1 301.11,47.1 arc-45 300.4,47.39 296.65,51.15 arc-45 296.5,51.5 296.5,51.7 arc90 295,53.2 292.02,53.2 arc-45 291.13,53.57 289.54,55.16 arc45 288.48,55.6 278.31,55.6 arc-45 v277.61,55.89 v277.6,55.9
  Bottom 0.2: IC74.128 334.41,58.8 arc-45 334.05,58.95 v333.8,59.2
T4CCP12  (via drill 0.3)
  Top 0.15: v333,145.2 332.72,144.92 arc45 332.57,144.57 arc-45 332.46,144.29 332.19,144.03 arc45 331.9,143.32 331.9,140.61 arc45 332.19,139.91 332.42,139.68 arc-45 332.6,139.24 332.62,139.22 332.62,138.55 arc-45 332.19,137.49 331.17,136.47 arc45 330.8,135.58 330.8,131.72 arc-45 330.43,130.83 328.87,129.27 arc-45 327.98,128.9 327.41,128.9 arc-45 326.71,129.19 326.29,129.61 arc45 325.59,129.9 312.26,129.9 arc45 311.9,129.75 v311.8,129.65 311.74,129.71 arc45 311.04,130 305.07,130 arc45 304.19,129.63 300.67,126.11 arc45 300.3,125.23 300.3,121.41 arc-45 300.01,120.71 297.67,118.37 arc45 297.3,117.48 297.3,116.01 arc-45 296.69,114.54 arc45 296.4,113.84 296.4,113.3 arc-45 295.96,112.24 295.52,111.79 arc45 295.15,110.91 295.15,109.97 arc-45 294.71,108.91 290.2,104.4 PCB6.CH2
  3V3@2 0.15: PCB6.CH2 | v278.4,142.2 278.4,141.9 278,141.5 278,139.5 277,138.5 275.5,138.5 274.6,137.6 274.6,136.6 270.37,132.37 JP62.4
  Bottom 0.15: v311.8,129.65 arc-45 311.29,129.86 308.34,132.81 arc45 306.92,133.4 301.23,133.4 arc-45 300.52,133.69 296.93,137.29 arc-45 296.8,137.6 296.8,137.75 arc90 295.05,139.5 292.06,139.5 arc-45 291.36,139.79 289.76,141.39 arc45 288.52,141.9 279.11,141.9 arc-45 v278.41,142.19 v278.4,142.2
  Bottom 0.2: v333,145.2 333.44,145.63 arc-90 334.14,145.63 334.43,145.35 arc45 334.79,145.2 IC110.127
T4CCP13  (via drill 0.3)
  Top 0.15: PCB6.CH1 296.38,107.9 arc45 296.09,108.61 295.74,108.96 arc-45 295.45,109.66 295.45,110.89 arc-45 295.74,111.59 297.27,113.12 arc45 297.6,113.91 297.6,117.46 arc-45 297.89,118.17 300.23,120.51 arc45 300.6,121.39 300.6,125.21 arc-45 300.89,125.92 304.38,129.41 arc-45 305.09,129.7 310.59,129.7 arc-45 311.29,129.41 311.45,129.25 arc45 311.81,129.1 v312.4,129.1 318,129.1 318.05,129.05 325.94,129.05 arc-45 326.64,128.76 arc45 327.02,128.6 328.08,128.6 arc45 329.14,129.04 330.66,130.56 arc45 331.1,131.62 331.1,135.49 arc-45 331.39,136.19 332.41,137.21 arc45 332.93,138.45 332.93,139.34 332.9,139.37 arc45 332.66,139.94 332.49,140.11 arc-45 332.2,140.81 332.2,143.19 arc-45 332.49,143.89 v333.8,145.2
  3V3@2 0.15: v277.6,141.9 277.6,139.6 277,139 275,139 274.25,138.25 274.25,137 272.16,134.91 JP62.5
  Bottom 0.15: v312.4,129.1 311.81,129.1 arc-45 311.45,129.25 308.11,132.59 arc45 306.88,133.1 301.11,133.1 arc-45 300.4,133.39 296.65,137.15 arc-45 296.5,137.5 296.5,137.7 arc90 295,139.2 292.02,139.2 arc-45 291.13,139.57 289.54,141.16 arc45 288.48,141.6 278.31,141.6 arc-45 v277.61,141.89 v277.6,141.9
  Bottom 0.2: IC110.128 334.41,144.8 arc-45 334.05,144.95 v333.8,145.2
TCA_!INT  (via drill 0.3)